# Altium PCB Austindetz_CM4_Board_v1.0.PcbDoc (part 3 of 6)
Units mil, origin at the board's own origin, x right, y up, seen from the top; angles counter-clockwise.
Board outline 4020 x 5659.29 mil, 6 copper layers (Top Layer, 02_GND1, 03_SIg1, 04_SIg2, 05_Pwr1, Bottom Layer), stack 60.56 mil thick; 407 components, 332 nets, 1812 pads, 973 vias.
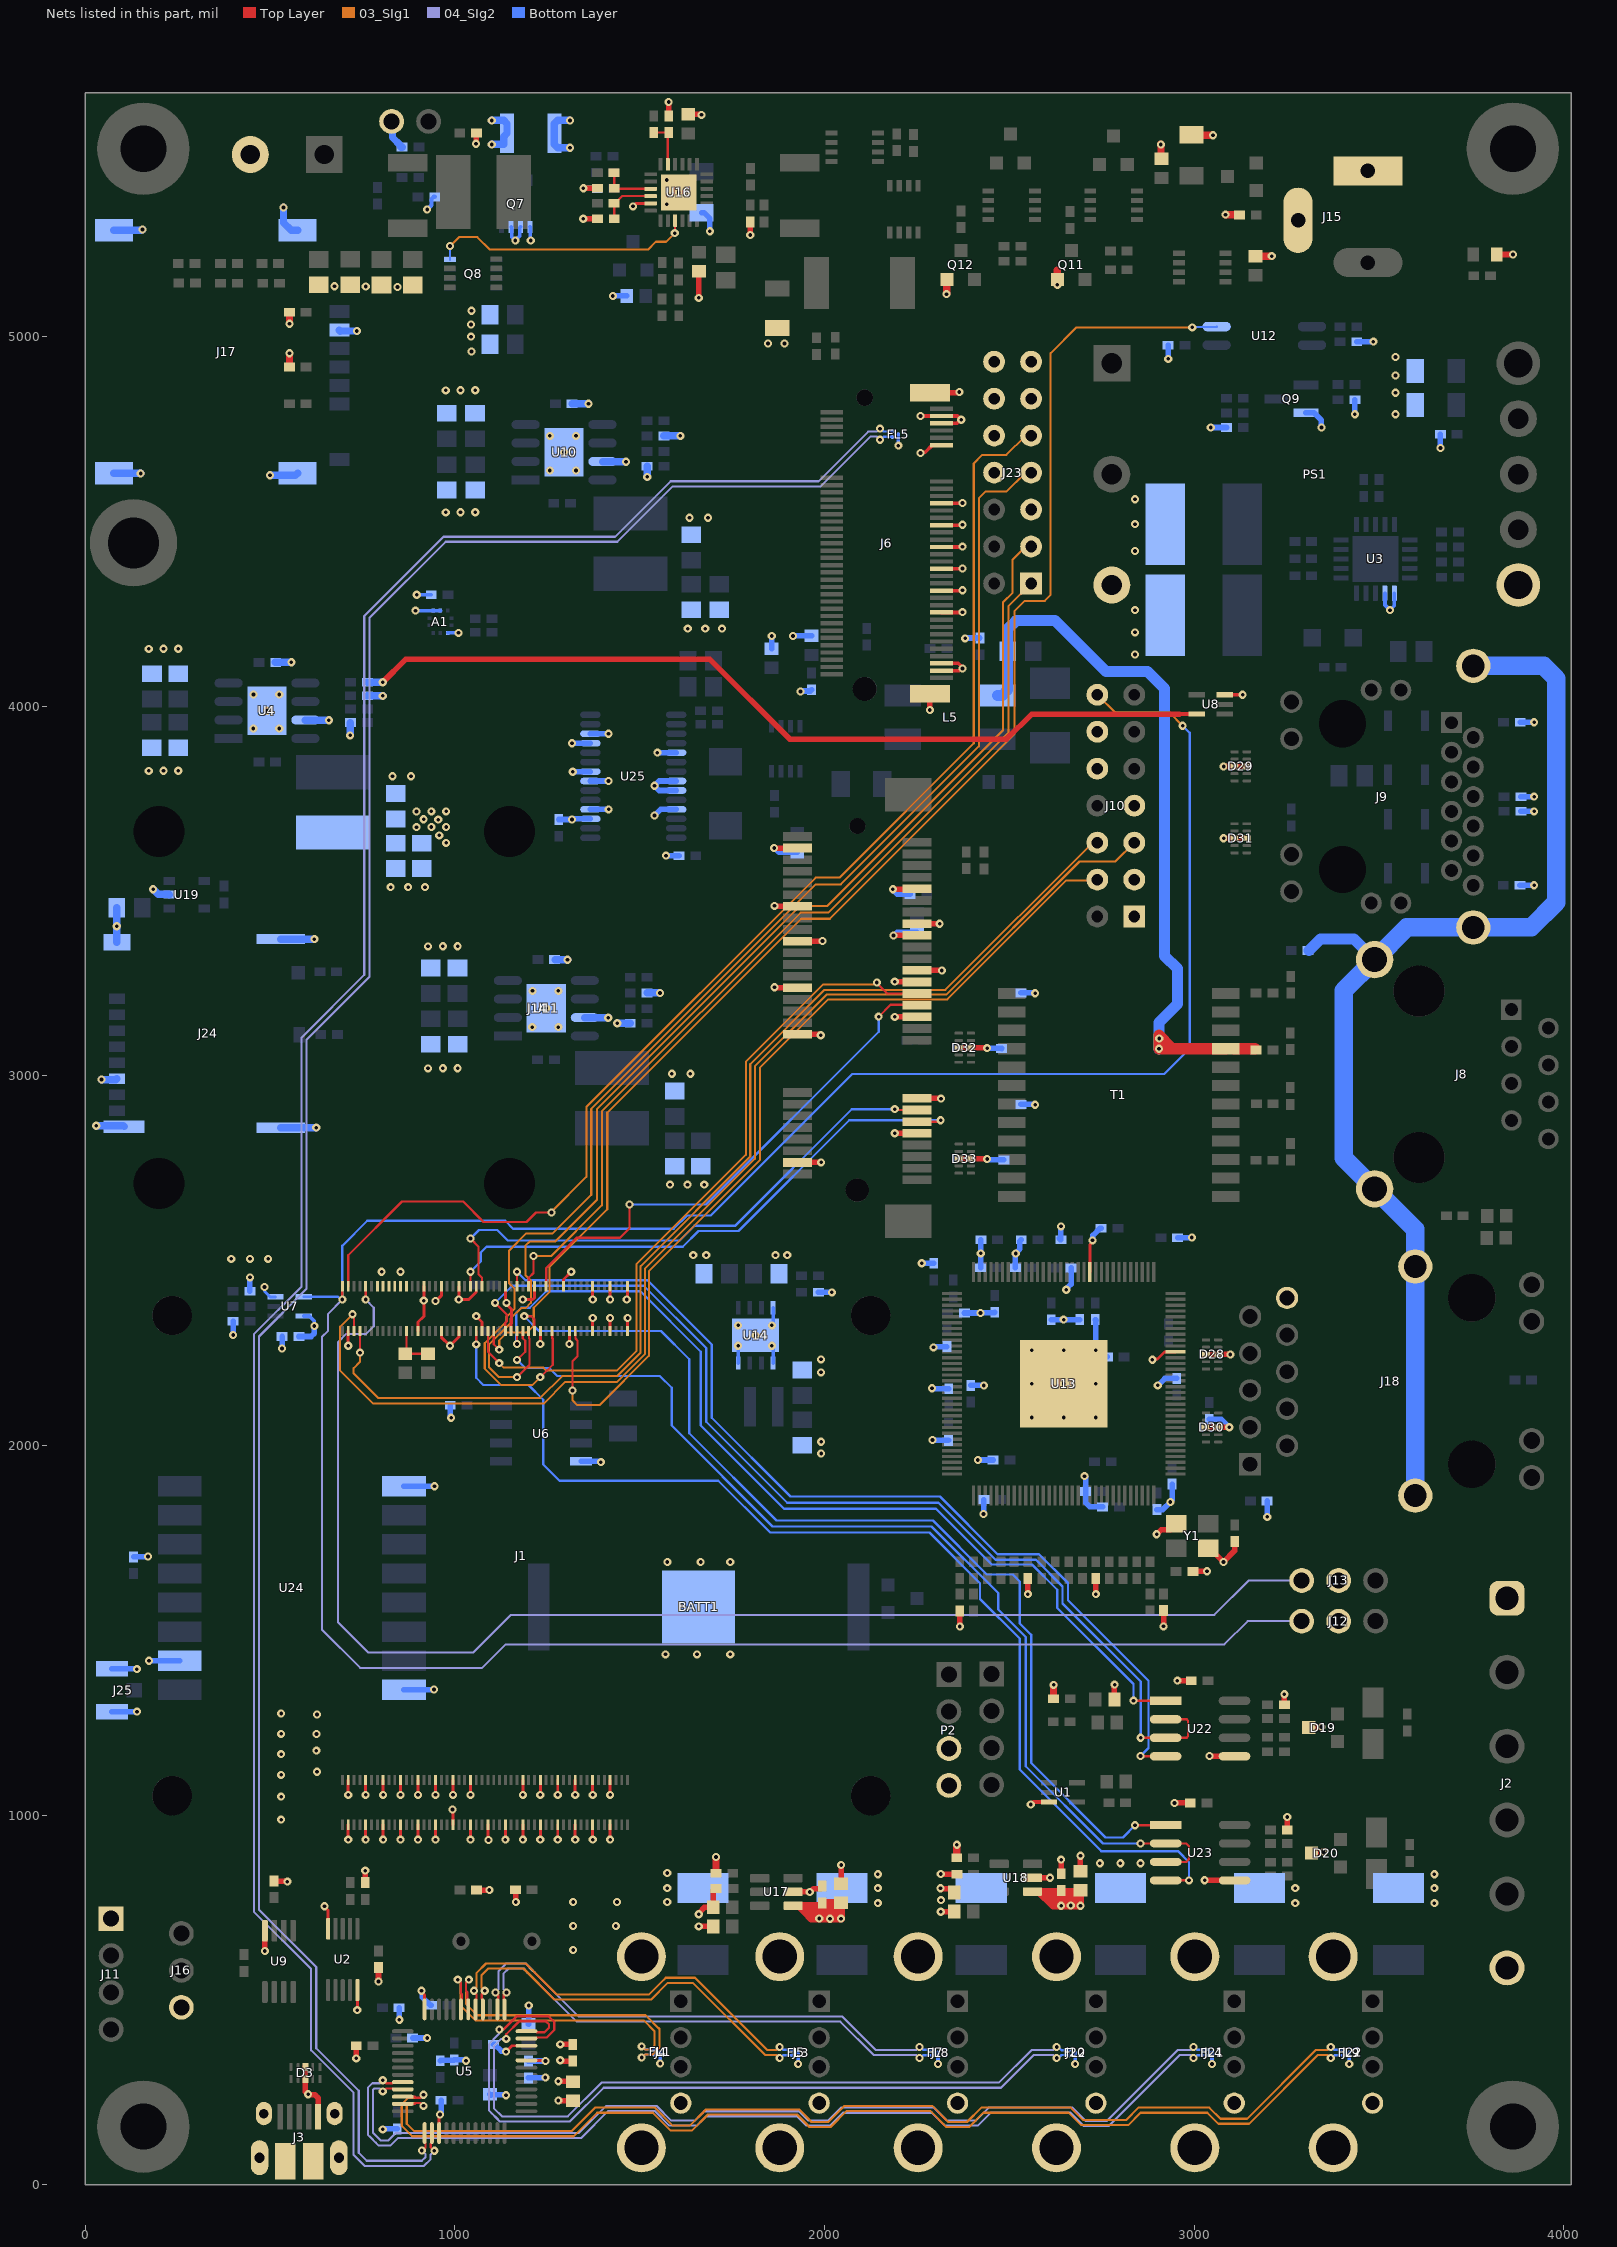
[diagram p7: the nets of this part, all layers, seen from the top]

## Via types
v1: diameter 22, hole 10, Top Layer to Bottom Layer, tented both sides, 968 vias
v2: diameter 22, hole 10, Top Layer to Bottom Layer, 5 vias

## Nets (pads, with @x,y where several pads share a name; then routed paths per layer and width w, separated by ;. In a path a pad name is that pad's centre, name@x,y a point inside that pad or via, vN(x,y) a via of type N, cw(c..) or ccw(c..) an arc to the next point about the centre after c; other vN are vias at no path point) (continued)
+5V: C4.1 C13.1 C16.1 C19.1 C35.1 C36.1 C41.1 C42.1 C103.1 C104.1 C111.1 J1.77 J1.79 J1.81 J1.83 J1.85 J1.87 J2.1 J16.1 L1.1 P2.3 R15.2 R16.2 R17.2 R20.1 R73.2 R75.2 U5.8 U7.5 U8.5 U17.1 U18.1 | length 3981.6
  Top Layer w8: U5.8@1193.64,336.74 1194.14,336.24 1243.66,336.24 v1(1244.91,334.98)
  Top Layer w10: 2959.91,3978.98 U8.5@3006.91,3978.98
  Top Layer w15: v1(804.91,4064.98) 866.91,4126.98 1689.91,4126.98 1905.91,3910.98 2492.91,3910.98 2560.91,3978.98 2959.91,3978.98 ; v1(1279.91,279.98) 1280.42,279.47 1318.7,279.47 C4.1@1319.21,278.96 ; v1(1285.08,336.74) 1287.06,334.76 C16.1@1319.03,334.76
  Top Layer w20: R73.2@1706.52,842.79 v1(1706.52,886.6) ; U17.1@1915.03,754.85 1980.04,754.85 ; U17.1@1930.16,754.09 1947.22,737.04 ; R75.2@2357.87,884.43 2357.87,919.84 v1(2358.02,919.98) ; U18.1@2562.74,793.2 U18.1@2579.91,793.2 ; R15.2@2619.67,1314.64 2619.67,1352.18 v1(2619.91,1352.42) ; C36.1@2692.38,796.76 C36.1@2692.38,793.2 ; 1947.22,737.04 1964.44,719.82 v1(2014.84,719.82) ; 1947.22,737.04 1991.06,737.04 1994.46,740.44 ; 1980.04,754.85 C111.1@1989.19,754.85 ; 1980.04,754.85 1994.46,740.44 ; C111.1@1989.19,754.85 1994.21,759.88 C111.1@1994.21,762.83 C111.1@1994.46,763.08 ; C111.1@1989.19,754.85 C111.1@1994.46,754.85 ; 1994.46,740.44 v1@2014.84,720.05 ; 1994.46,740.44 2024.37,740.44 ; 1994.46,740.44 C111.1@1994.46,754.85 ; C111.1@1994.46,754.85 2009.96,754.85 2024.37,740.44 ; C111.1@1994.46,754.85 C111.1@1994.46,763.08 ; C111.1@1994.46,763.08 C103.1@2026.12,763.08 ; v1(2014.84,719.82) 2014.93,719.9 2044.74,719.9 v1(2044.82,719.98) ; v1(2014.84,719.82) v1@2014.84,720.05 ; v1@2014.84,720.05 2014.84,720.36 2027.39,732.9 2027.39,737.42 ; 2024.37,740.44 2026.12,738.68 ; 2026.12,738.68 2027.39,737.42 ; 2026.12,738.68 C103.1@2026.12,763.08 ; C103.1@2026.12,763.08 2044.58,763.08 C103.1@2044.82,763.32 C103.1@2044.82,750.99 ; 2027.39,737.42 v1(2044.82,719.98) ; 2027.39,737.42 2031.25,737.42 C103.1@2044.82,750.99 ; v1(2044.82,719.98) C103.1@2044.82,750.99 ; U18.1@2579.91,793.2 2602,793.2 ; U18.1@2579.91,793.2 2618.12,754.98 v1(2640.22,754.98) ; 2602,793.2 C104.1@2628.41,793.2 ; 2602,793.2 v1(2640.22,754.98) ; C104.1@2628.41,793.2 2640.22,781.39 ; C104.1@2628.41,793.2 C104.1@2642.33,793.2 ; v1(2640.22,754.98) v1(2692.38,754.98) 2692.38,769.98 ; v1(2640.22,754.98) 2640.22,773.03 ; 2640.22,773.03 2662.49,773.03 ; 2640.22,773.03 2640.22,781.39 ; 2640.22,781.39 2640.22,791.09 C104.1@2642.33,793.2 ; C104.1@2642.33,793.2 C36.1@2678.54,793.2 ; C104.1@2642.33,793.2 2662.49,773.03 ; 2662.49,773.03 2678.54,789.08 C36.1@2678.54,793.2 ; 2662.49,773.03 2689.33,773.03 2692.38,769.98 ; C36.1@2678.54,793.2 C36.1@2692.38,793.2 ; 2692.38,769.98 C36.1@2692.38,793.2
  Bottom Layer w10: U7.5@591.01,2350.4 606.01,2350.4 619.91,2336.5 v1(619.91,2323.23)
  Bottom Layer w15: R17.2@400.22,2336.04 400.15,2335.96 400.19,2335.93 v1@400.19,2298.92 ; R16.2@445.42,2417.14 445.42,2454.91 v1(445.5,2454.98) ; C13.1@577.74,2294.95 611.12,2294.95 619.91,2303.73 v1(619.91,2323.23) ; C19.1@1199.03,334.64 1199.2,334.81 1244.74,334.81 v1(1244.91,334.98) ; v1(400.15,2298.88) v1@400.19,2298.92
  Bottom Layer w20: R20.1@763.23,4064.81 763.4,4064.98 763.49,4064.9 804.82,4064.9 v1(804.91,4064.98)
  other v1: 1319.91,635.2 1319.91,699.98 1435.62,700.12 1985.61,720.61 2666.26,755.8 1319.91,764.98 1438.35,765.2 529.91,987.86 529.91,1049.98 529.91,1109.12 626.96,1117.3 529.91,1164.98 625.36,1174.55 529.91,1219.98 625.86,1219.49 627,1272.16 529.91,1274.98 801.96,2469.98 853.14,2469.98 394.91,2504.98 445.5,2504.98 494.91,2504.98 976.3,3630.35 957.62,3650.67 896.3,3672.88 936.3,3673.18 976.3,3673.18 954.96,3693.37 915.45,3694.16 896.3,3715.28 936.3,3715.59 976.3,3715.59
AGND: C81.2 C82.2 C83.2 C87.1 C88.1 C90.2 C91.2 C92.2 C96.2 C98.2 C100.1 Q7.S R51.2 R61.2 R62.2 R63.2 R66.1 R67.1 RT1.2 | length 724
  Top Layer w15: v1(1056.91,5521.98) 1057.72,5522.8 1057.72,5550.05 C98.2@1058.54,5550.86 ; v1(1347.35,5318.99) R61.2@1385.78,5318.99 ; v1(1347.66,5401.44) 1347.82,5401.6 R62.2@1385.78,5401.6 ; R63.2@1578.33,5597.36 v1(1578.33,5634.98) ; C100.1@1631.39,5601.26 1666.19,5601.26 v1(1667.46,5599.98) ; v1(1659.91,5104.98) 1660.14,5105.21 1660.14,5176.68 C81.2@1660.37,5176.91 ; v1(1799.15,5274.98) C87.1@1799.15,5310.65
  Bottom Layer w10: Q7.S@1152.11,5296.98 1154.11,5294.98 1154.11,5269.54 v1(1163.67,5259.98) 1175.71,5272.02 1175.71,5294.98 Q7.S@1177.71,5296.98 ; Q7.S@1203.3,5296.98 1204.29,5295.99 1204.29,5260.97 v1(1205.28,5259.98)
  Bottom Layer w12: v2(924.98,5343.71) 936.71,5355.44 C88.1@936.71,5368.73 ; C88.1@936.74,5368.76 936.74,5372.24 942.55,5378.05 C88.1@945.5,5378.05
  Bottom Layer w15: v1(1347.66,5401.44) 1347.94,5401.17 1384.87,5401.17 R67.1@1385.15,5400.89
  Bottom Layer w20: RT1.2@828.85,5582.17 831.34,5579.69 831.34,5538.71 852.4,5517.65 852.4,5514.7 854.21,5512.89 R51.2@857.16,5512.89 ; v1(1311.37,5511.15) 1277.78,5511.15 1268.89,5520.04 R66.1@1268.89,5549.98 1268.89,5576.09 1277.78,5584.98 v1(1311.37,5584.98)
  other v1: 1044.91,4959.98 1043.77,4999.98 1043.77,5033.05 1044.91,5069.98 844.9,5134.46 758.95,5135.52 674.32,5136.31
AIN0: J1.96 J10.5 | length 3309.2
  Top Layer w6.16: v1(723.22,2354.98) 727.15,2351.05 J1.96@727.15,2309.51
  03_SIg1 w5.61: v1(723.22,2354.98) 689.6,2321.37 689.6,2202.69 778.79,2113.51 1240.25,2113.51 1299.01,2172.26 1438.94,2172.26 1513.83,2247.15 1513.83,2478.3 1811.38,2775.85 1811.38,3025.87 2005.33,3219.82 2329.73,3219.82 2689.9,3579.98 2786.91,3579.98 J10.5@2838.04,3631.11
AIN1: J1.94 J10.6 | length 3067.1
  Top Layer w6.16: J1.94@742.9,2309.51 743.13,2309.29 743.13,2251.53 v1(743.35,2251.31)
  03_SIg1 w5.61: v1(743.35,2251.31) 743.35,2226.42 725.91,2208.98 725.91,2194.98 792.14,2128.75 1231.09,2128.75 1290.1,2187.77 1438.74,2187.77 1502.72,2251.75 1502.72,2485.51 1799.08,2781.87 1799.08,3031.78 1999.83,3232.53 2326.73,3232.53 2725.31,3631.11 J10.6@2738.04,3631.11
BT-nDis: J1.91 J13.3 | length 3711.3
  Top Layer w6.16: v1(758.65,2394.98) J1.91@758.65,2430.77
  04_SIg2 w5.61: v1(758.65,2394.98) 780.46,2373.18 780.46,2322.53 759.98,2302.05 706.41,2302.05 683.91,2279.55 683.91,1521.36 765.28,1439.98 1049.91,1439.98 1151.91,1541.98 3054.91,1541.98 3147.77,1634.85 J13.3@3290.96,1634.85
CAM-GPIO: J1.97 J23.9 | length 3434.2
  Top Layer w6.16: J1.97@711.41,2430.77 711.41,2514.48 856.91,2659.98 1022.55,2659.98 1077.55,2604.98 1193.91,2604.98 1219.19,2630.26 v1(1261.39,2630.26)
  03_SIg1 w5.61: v1(1261.39,2630.26) 1261.39,2632.53 1355.6,2726.74 1355.6,2915.87 1976.25,3536.52 2040.7,3536.52 2403.85,3899.67 2403.85,4656.64 2427.19,4679.98 2491.69,4679.98 J23.9@2542.71,4731
DISABLE_POE_DCDC: J1.48 U12.4 | length 3957.5
  Top Layer w6.16: J1.48@1105.11,2309.51 1105.11,2274.28 v1(1120.07,2259.32)
  03_SIg1 w5.61: v1(1120.07,2259.32) 1120.07,2284.69 1141.68,2306.3 1195.19,2306.3 1213.36,2324.46 1213.36,2373.18 1256.53,2416.35 1256.53,2483.61 1412.19,2639.27 1412.19,2900.74 1936.64,3425.19 2014.29,3425.19 2513.77,3924.67 2513.77,4257.09 2542.01,4285.34 2596.1,4285.34 2611.97,4301.21 2611.97,4955.3 2681.66,5024.98 v1(2994.91,5024.98)
  Bottom Layer w6.16: v1(2994.91,5024.98) 2995.97,5026.05 3059.86,5026.05 U12.4@3060.92,5027.11
EARTH: C123.2 J8.9 J8.10 J9.S1 J9.S2 J18.S1 J18.S2 | length 3181.6
  Bottom Layer w15: C123.2@3308.43,3338.64 C123.2@3307.97,3339.11 C123.2@3310.92,3339.11
  Bottom Layer w30: C123.2@3310.92,3339.11 3341.8,3369.98 3432.85,3369.98 J8.9@3488.39,3314.45
  Bottom Layer w50: J18.S1@3598.28,1864.34 J18.S2@3598.28,2484.42 3598.28,2584.48 J8.10@3488.39,2694.37 3404.91,2777.85 3404.91,3230.96 J8.9@3488.39,3314.45 3575.47,3401.52 J9.S1@3755.17,3401.52 3911.45,3401.52 3979.91,3469.98 3979.91,4074.98 3945.5,4109.39 J9.S2@3755.17,4109.39
EEPROM-nWP: J1.20 J10.4 | length 2489.8
  Top Layer w6.16: v1(1318.25,2149.09) 1318.12,2149.21 1318.12,2228.01 1331.91,2241.79 1331.91,2283.76 1326.44,2289.24 1326.44,2308.66 J1.20@1325.58,2309.51
  03_SIg1 w5.61: v1(1318.25,2149.09) 1318.25,2121.98 1330.13,2110.1 1392.49,2110.1 1524.94,2242.54 1524.94,2471.66 1825.22,2771.94 1825.22,3021.76 2010.42,3206.96 2332.59,3206.96 2654.5,3528.87 2735.8,3528.87 J10.4@2738.04,3531.11
Global-EN: J1.99 J10.14 J12.1 U7.4 | length 7628.3
  Top Layer w6.16: v1(695.66,2394.98) J1.99@695.66,2430.77
  03_SIg1 w6.16: J10.14@2738.04,4031.11 2786.98,3982.17 2933.85,3982.17 v2(2968.85,3947.17)
  04_SIg2 w5.61: v1(695.66,2394.98) 656.91,2356.24 656.91,2310.98 640.59,2294.66 640.59,1501.91 743.99,1398.51 1073.67,1398.51 1137.14,1461.98 3081.91,1461.98 3144.77,1524.85 J12.1@3290.96,1524.85
  Bottom Layer w6.16: U7.4@591.01,2402.4 683.96,2402.4 691.37,2394.98 v1(695.66,2394.98) 695.66,2540.73 763.11,2608.18 1136.03,2608.18 1157.53,2586.68 1592.22,2586.68 1627.96,2622.42 1692.24,2622.42 2074.81,3004.98 2919.08,3004.98 2987.77,3073.67 2987.77,3928.25 v2(2968.85,3947.17)
GND: A1.3 A1.8 A1.9 BATT1.- C1.2 C2.2 C3.2 C4.2 C5.2 C6.2 C7.2 C8.2 C9.2 C10.2 C12.2 C13.2 C14.2 C15.2 C16.2 C17.2 C19.2 C20.2 C21.2 C22.2 C23.2 C24.2 C25.2 C26.2 C27.2 C28.2 C30.2 C31.2 C32.2 C33.2 C34.2 C35.2 C36.2 C37.2 C38.2 C39.2 C40.2 C41.2 C42.2 C43.2 C44.2 C45.2 C46.2 C48.2 C49.2 C50.2 C51.2 C52.2 C53.2 C54.2 C55.2 C56.2 C57.2 C58.2 C59.2 C60.2 C61.2 C62.2 C63.2 C64.2 C65.2 C66.2 C67.2 C68.2 C69.2 C70.2 C71.2 C72.2 C73.2 C74.2 C75.2 C76.2 C77.2 C78.2 C79.2 C80.2 C89.1 C93.2 C94.1 C101.2 C102.1 C103.2 C104.2 C109.2 C110.2 C111.2 C112.- C113.- C114.- C115.- C116.- C117.- C118.2 C119.2 C120.2 C121.2 C122.2 C124.1 C125.2 C126.2 C127.2 C128.2 C129.2 C130.1 C131.2 C132.1 C133.2 C134.2 C135.2 C136.2 C137.2 C138.2 C140.2 C141.1 C142.1 C143.1 C144.1 C145.1 C146.1 C147.1 C148.1 C149.2 C150.2 C151.2 C152.2 C153.2 Cttc.2 D3.3 D3.8 D5.2 D7.C D19.3 D20.3 D28.3 D28.8 D29.3 D29.8 D30.3 D30.8 D31.3 D31.8 D32.3 D32.8 D33.3 D33.8 FL1.B1 FL2.B1 FL3.B1 FL4.B1 FL5.B1 FL8.B1 FL9.B1 J1.1 J1.2 J1.7 J1.8 J1.13 J1.14 J1.22 J1.23 J1.32 J1.33 J1.42 J1.43 J1.52 J1.53 J1.59 J1.60 J1.65 J1.66 J1.71 J1.74 J1.98 J1.107 J1.108 J1.113 J1.114 J1.119 J1.120 J1.125 J1.126 J1.131 J1.132 J1.137 J1.138 J1.144 J1.150 J1.155 J1.156 J1.161 J1.162 J1.167 J1.168 J1.173 J1.174 J1.179 J1.180 J1.185 J1.186 J1.191 J1.192 J1.197 J1.198 J2.6 J3.5 J3.SH J4.4 J4.SH1 J4.SH2 J5.4 J5.SH1 J5.SH2 J6.3 J6.5 J6.11 J6.27 J6.33 J6.39 J6.45 J6.51 J6.57 J6.71 J6.73 J6.S1 J6.S2 J7.4 J7.SH1 J7.SH2 J10.1 J10.3 J10.7 J10.10 J10.12 J11.1 J12.2 J13.2 J14.4 J14.9 J14.15 J14.18 J14.21 J14.26 J14.27 J14.29 J14.34 J14.35 J14.37 J14.40 J14.43 J14.50 J15.2 J17.C5 J17.SH J18.10 J19.2 J20.4 J20.SH1 J20.SH2 J21.4 J21.SH1 J21.SH2 J22.4 J22.SH1 J22.SH2 J23.5 J23.8 J23.10 J23.11 J23.12 J23.13 J23.14 J24.6 J24.SH J25.1 J25.3 P2.4 PS1.3 PS1.4 Q9.2 Q11.1 Q12.1 R8.2 R9.2 R13.2 R14.1 R22.2 R23.2 R29.2 R66.2 R68.1 R69.1 R70.2 R71.2 R72.1 R74.1 R79.2 R94.2 R98.2 R101.2 R113.2 R115.2 R118.2 R123.2 U1.3 U2.5 U2.10 U3.11 U3.12 U4.7 U4.9 U5.10 U5.24 U5.39 U6.4 U7.3 U8.3 U9.4 U10.7 U10.9 U11.7 U11.9 U13.12 U13.118 U13.EPAD U14.4 U14.5 U14.8 U14.9 U16.17 U16.25 U17.2 U18.2 U19.2 U22.5 U23.5 U24.1 U24.8 U24.10 U25.3 U25.4 U25.7 U25.8 U25.11 U25.12 U25.19 U25.22 U25.23 U25.25 Y1.2 Y1.4 | length 13234.9
  Top Layer w8: v1(647.31,753.64) 647.31,751.89 657.25,741.95 U2.5@657.25,692.53 ; v1(711.41,933.72) J1.198@711.41,974.08 ; v1(711.41,1054.98) J1.197@711.41,1095.34 ; v1(711.41,2269.98) J1.98@711.41,2309.51 ; v1(735.99,472.56) U2.10@735.99,526.79 ; v1(758.65,933.72) J1.192@758.65,974.08 ; v1(758.65,1054.98) J1.191@758.65,1095.34 ; v1(805.89,933.72) J1.186@805.89,974.08 ; v1(805.89,1054.98) J1.185@805.89,1095.34 ; v1(853.14,933.72) J1.180@853.14,974.08 ; v1(853.14,1054.98) J1.179@853.14,1095.34 ; v1(900.38,933.72) J1.174@900.38,974.08 ; v1(900.38,1054.98) J1.173@900.38,1095.34 ; J1.74@900.38,2309.51 900.45,2309.58 900.45,2333.84 915.91,2349.3 v1(915.91,2391.98) 916.07,2392.14 916.07,2430.71 J1.71@916.13,2430.77 ; v1(909.91,524.98) 909.91,521.98 918.06,513.83 U5.24@918.06,474.53 ; v1(947.63,933.72) J1.168@947.63,974.08 ; v1(947.63,1054.98) J1.167@947.63,1095.34 ; v1(947.7,2391.1) 949.02,2391.1 963.38,2405.45 J1.65@963.38,2430.77 ; U5.39@957.42,139.89 957.42,187.49 v1(959.91,189.98) ; J1.66@963.38,2309.51 963.38,2293.16 v1@986.29,2270.25 ; v1(986.74,2269.8) 1010.62,2293.68 J1.60@1010.62,2309.51 ; v1(993.66,1015.35) 994.81,1014.2 994.81,974.14 J1.162@994.87,974.08 ; v1(994.87,1054.98) J1.161@994.87,1095.34 ; J1.59@1010.62,2430.77 v1(1010.62,2394.98) 1037.48,2394.98 1057.8,2415.31 1057.8,2430.71 J1.53@1057.86,2430.77 ; v1(1042.12,933.72) J1.156@1042.12,974.08 ; v1(1042.12,1054.98) J1.155@1042.12,1095.34 ; v1(1057.86,2349.98) 1073.61,2334.24 J1.52@1073.61,2309.51 ; J1.150@1089.36,974.08 1089.42,974.02 1089.42,934.25 v1(1090.87,932.79) ; v1(1136.6,933.72) J1.144@1136.6,974.08 ; J1.43@1136.6,2430.77 1136.6,2393.05 1139.91,2389.74 v1(1139.91,2385.95) 1139.91,2382.16 1152.76,2369.31 1152.76,2330.63 1152.41,2330.28 1152.41,2309.58 J1.42@1152.35,2309.51 ; v1(1138.35,360.17) 1154.29,376.11 U5.10@1193.64,376.11 ; v1(1183.58,2394.99) 1210.59,2394.99 1215.28,2399.67 1215.28,2430.71 J1.33@1215.34,2430.77 ; v1(1183.85,933.72) J1.138@1183.85,974.08 ; v1(1183.85,1054.98) J1.137@1183.85,1095.34 ; v1(1231.09,933.72) J1.132@1231.09,974.08 ; v1(1231.09,1054.98) J1.131@1231.09,1095.34 ; v1(1231.09,2274.62) J1.32@1231.09,2309.51 ; v1(1278.34,933.72) J1.126@1278.34,974.08 ; v1(1278.34,1054.98) J1.125@1278.34,1095.34 ; J1.23@1294.08,2430.77 1294.15,2430.83 1294.15,2449.22 v1(1314.91,2469.98) ; v1(1309.83,2274.62) J1.22@1309.83,2309.51 ; v1(1325.58,933.72) J1.120@1325.58,974.08 ; v1(1325.58,1054.98) J1.119@1325.58,1095.34 ; v1(1372.82,933.72) J1.114@1372.82,974.08 ; v1(1372.82,1054.98) J1.113@1372.82,1095.34 ; J1.14@1372.82,2309.51 v1(1372.82,2344.98) ; v1(1372.82,2394.98) J1.13@1372.82,2430.77 ; v1(1420.07,933.72) J1.108@1420.07,974.08 ; v1(1420.07,1054.98) J1.107@1420.07,1095.34 ; J1.8@1420.07,2309.51 v1(1420.07,2344.98) ; v1(1420.07,2394.98) J1.7@1420.07,2430.77 ; v1(1464.91,2394.98) 1467.31,2397.39 J1.1@1467.31,2430.77 ; J1.2@1467.31,2309.51 v1(1467.31,2344.98) ; v1(1481.76,5352.43) 1489.91,5360.58 U16.17@1529.48,5360.58 ; U13.12@2717.93,2469.26 2717.93,2544.22 2724.91,2551.2 v1(2724.91,2554.98) ; v1(2886.91,2231.99) 2889.26,2234.34 2901.09,2234.34 2919.87,2253.12 2948.81,2253.12 U13.118@2949.31,2253.62
  Top Layer w10: v1(2259.91,4684.98) 2262.21,4687.28 2272.58,4687.28 2291.92,4706.62 J6.11@2316.53,4706.62 ; v1(2259.91,4785.36) J6.3@2316.53,4785.36 2359.53,4785.36 v1(2369.91,4774.98) 2367.82,4774.98 2358.51,4765.68 J6.5@2316.53,4765.68 ; J6.73@2316.53,4096.39 2364.07,4096.39 2369.98,4102.29 v1(2373.23,4102.29) 2373.23,4104.67 2361.82,4116.07 J6.71@2316.53,4116.07 ; J6.57@2316.53,4253.87 2372.38,4253.87 v1(2373.23,4254.71) ; J6.51@2316.53,4312.92 2372.38,4312.92 v1(2373.23,4313.76) ; J6.45@2316.53,4371.98 2372.38,4371.98 v1(2373.23,4372.82) ; J6.39@2316.53,4431.03 2372.38,4431.03 v1(2373.23,4431.87) ; J6.33@2316.53,4490.09 2372.38,4490.09 v1(2373.23,4490.93) ; J6.27@2316.53,4549.14 2372.38,4549.14 v1(2373.23,4549.98) ; v1(2557.91,1028.67) 2564.91,1035.67 U1.3@2607.33,1035.67 ; U8.3@3082.91,4030.98 v1(3131.3,4030.98)
  Top Layer w15: v1(485.87,632.73) U9.4@485.87,687.3 ; C30.2@510.63,822.02 511.59,821.06 545.81,821.06 v1(546.77,820.1) ; D3.3@595.78,318.91 D3.8@595.78,286.04 595.78,252.28 v1(603.08,244.98) 604.41,243.64 621.25,243.64 630.11,234.78 J3.5@630.11,184.44 ; v1(733.23,342.05) v1(733.23,342.05) R9.2@733.28,376.15 ; R8.2@757.62,817.33 v1(757.62,849.98) ; v1(793.32,549.98) C37.2@793.32,587.45 ; C10.2@1058.66,797.28 v1(1093.3,797.28) ; C9.2@1163.76,798.14 1164.34,797.57 1164.34,765.56 v1(1164.91,764.98) ; v1(1279.91,227.95) 1280.19,227.67 1318.93,227.67 C4.2@1319.21,227.39 ; v1(1284.91,379.87) 1285.08,380.04 C16.2@1319.03,380.04 ; v1(1659.91,699.08) C20.2@1699.22,699.08 ; v1(1659.91,732.05) 1659.91,735.75 1674.91,750.75 C21.2@1699.22,750.75 1699.22,794.07 1699.41,794.25 1699.41,797.21 1703.72,801.52 R72.1@1706.67,801.52 ; v1(1863.77,3616.36) J14.50@1927.43,3616.36 ; v1(1864.91,3239.98) 1866.48,3238.41 J14.26@1927.43,3238.41 ; v1(1864.91,3459.98) 1866.01,3458.88 J14.40@1927.43,3458.88 ; U17.2@1915.03,792.25 v1(1959.91,792.25) 1961.8,792.25 1970.39,800.84 1989.9,800.84 1994.21,805.15 C111.2@1994.21,808.11 ; J14.4@1927.43,2765.97 v1(1990.89,2765.97) ; J14.18@1927.43,3112.43 1987.47,3112.43 v1(1989.91,3109.98) ; J14.34@1927.43,3364.39 1993.93,3364.39 v1(1994.52,3364.98) ; C103.2@2044.82,814.9 2044.82,864.9 v1(2044.91,864.98) ; v1(2184.91,3504.98) 2185.48,3505.56 2249.69,3505.56 J14.43@2250.26,3506.13 ; v1(2186.76,3379.98) 2186.92,3380.14 J14.35@2250.26,3380.14 ; v1(2189.91,2844.98) 2190.18,2844.71 J14.9@2250.26,2844.71 ; v1(2189.91,3159.67) J14.21@2250.26,3159.67 ; v1(2189.91,3254.98) 2190.32,3254.57 2249.85,3254.57 J14.27@2250.26,3254.16 ; J14.15@2250.26,2939.2 2314.12,2939.2 v1(2314.91,2938.41) ; J14.29@2250.26,3285.65 2316.78,3285.65 v1(2317.45,3284.98) ; J14.37@2250.26,3411.64 v1(2311.56,3411.64) ; v1(2284.91,3989.98) 2284.91,4032.29 J6.S2@2286.01,4033.39 ; J6.S1@2286.01,4848.35 2363.28,4848.35 v1(2364.91,4849.98) ; v1(2313.6,802.07) 2314.94,800.73 2342.02,800.73 2351.25,791.5 C109.2@2351.25,790.84 ; v1(2314.42,840.65) 2314.81,840.25 2357.63,840.25 R74.1@2358.02,839.86 ; v1(2314.6,738.55) 2314.92,738.86 2350.94,738.86 C110.2@2351.25,739.17 ; D33.3@2363.16,2776.2 D33.8@2396.03,2776.2 2396.41,2775.83 2439.06,2775.83 v1(2439.91,2774.98) ; D32.3@2363.16,3076.2 D32.8@2396.03,3076.2 2396.41,3075.83 2439.06,3075.83 v1(2439.91,3074.98) ; v1(2366.19,1510.29) R123.2@2366.19,1552.62 ; v1(2550.18,1597.89) R118.2@2550.18,1640.22 ; U18.2@2562.74,830.6 v1(2609.91,830.6) ; C104.2@2640.22,841.54 v1(2640.22,879.61) ; C36.2@2692.38,848.34 v1(2692.38,889.98) ; v1(2734.16,1597.89) R115.2@2734.16,1640.22 ; D5.2@2784.44,1313.16 2784.44,1352.52 v1(2784.91,1352.98) ; v1(2898.57,1759.98) 2911.17,1772.59 2935.48,1772.59 Y1.4@2951.6,1788.71 ; v1(2917.38,1510.86) R113.2@2917.38,1553.19 ; v1(2946.91,1032.98) C94.1@2989.59,1032.98 ; v1(2954.51,1363.86) C102.1@2992.26,1363.86 ; C130.1@2996.56,1659.11 2997,1659.54 3034.47,1659.54 v1(3034.91,1659.98) ; v1(3028.49,823.94) 3028.7,823.73 3109.29,823.73 U23.5@3109.49,823.53 ; D30.3@3029.98,2048.9 D30.8@3065.35,2048.9 3065.59,2049.14 3094.67,2049.14 v1(3094.91,2049.38) ; D28.3@3032.25,2246.31 D28.8@3065.12,2246.31 v1(3097.99,2246.31) ; Y1.2@3038.22,1721.78 3042.15,1721.78 3079.07,1684.86 v1(3079.24,1684.86) 3109.91,1715.53 C132.1@3109.91,1739.98 ; v1(3041.61,1159.98) 3041.94,1159.65 3108.85,1159.65 U22.5@3109.18,1159.32 ; v1(3079.91,3642.83) D31.3@3109.55,3642.83 D31.8@3142.42,3642.83 ; v1(3079.91,3837.27) D29.3@3109.55,3837.27 D29.8@3142.42,3837.27 ; R94.2@3244.04,1298.43 v1(3244.04,1326.98) ; R98.2@3252,959.69 v1(3252,994.98) ; D19.3@3310.04,1237.4 3310.53,1237.89 3344.33,1237.89 v1(3344.81,1238.38) ; D20.3@3317.99,897.81 3319.08,898.9 3348.82,898.9 v1(3349.91,899.98) ; D7.C@3818.87,5222.23 v1(3862.43,5222.23)